# Altium PCB Deneigus.PcbDoc (continued)
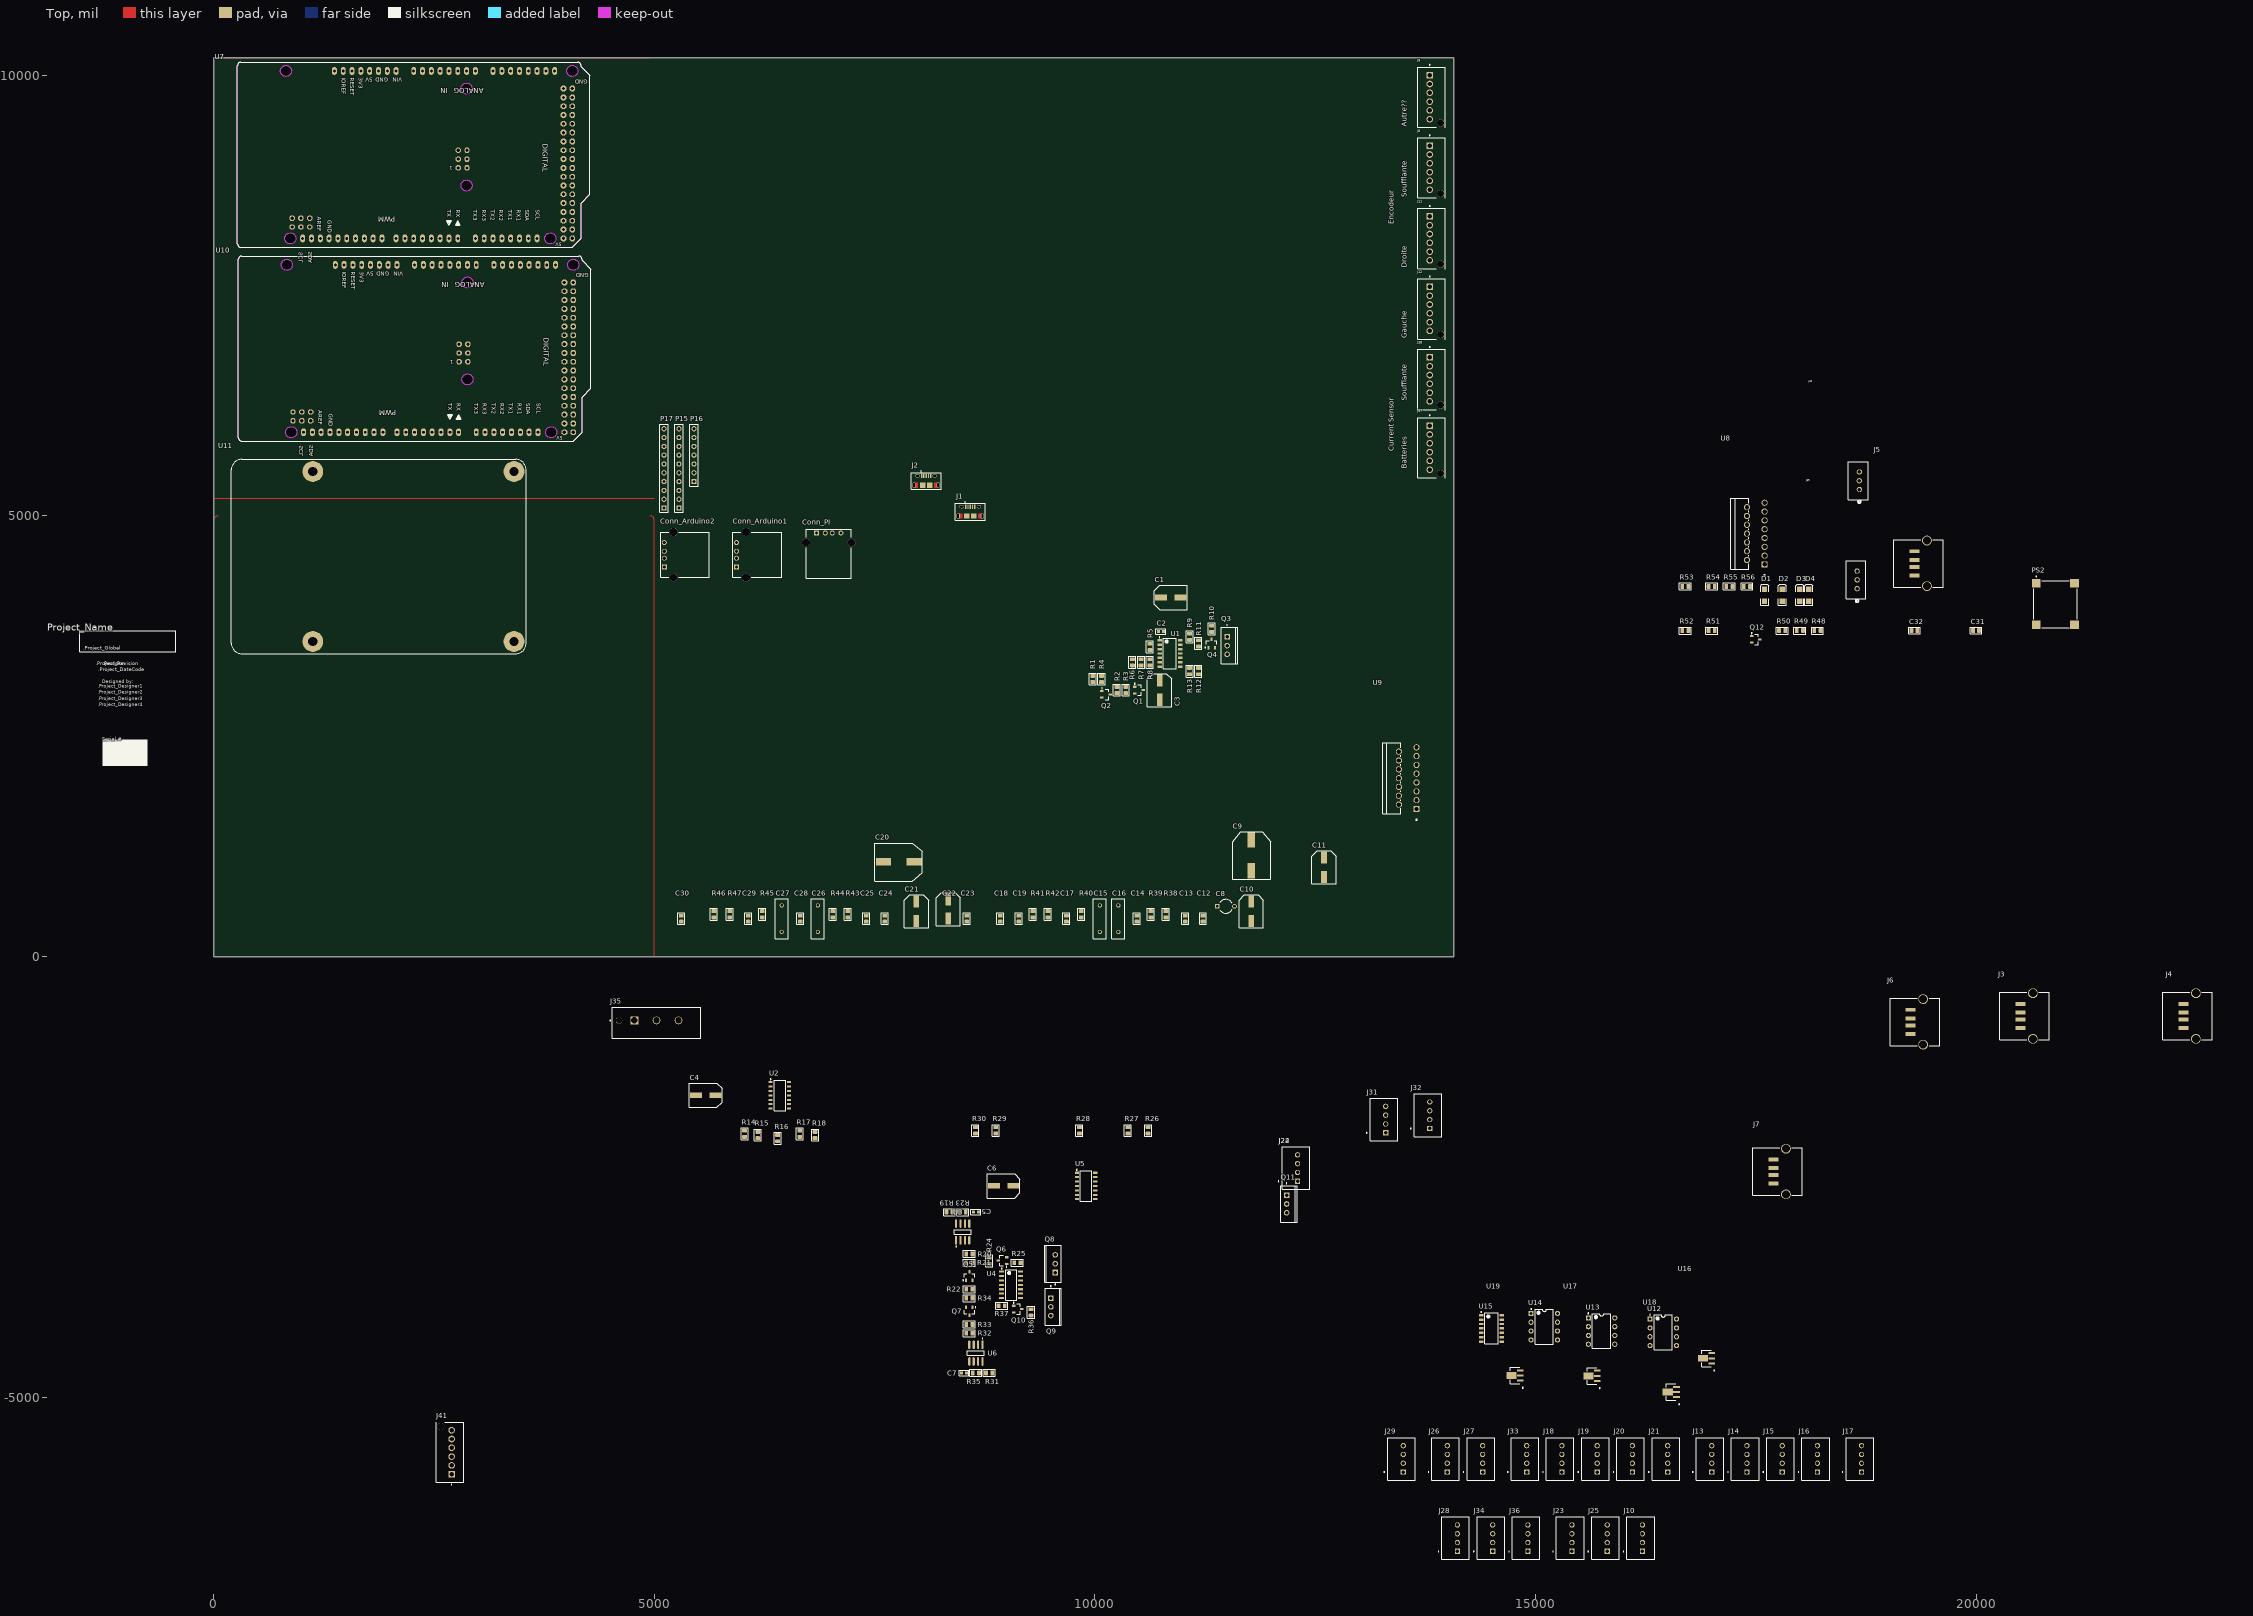
[diagram p0: Top view]
## Part data
C1 C10 C11 C21 C22: library part "47µF SMD", Mfg Part Number=875105344010, Supplier Part Number 1=732-6425-2-ND, HelpURL=https://www.we-online.de/katalog/datasheet/875105344010.pdf, Mfg="Würth Elektronik", Supplier 1=Digikey
C2 C5 C7: Package=0603, Voltage=50V, CreatedBy="Jonathan Bouchard", Precision=10%
C3 C4 C6: library part "47µF SMD", Mfg Part Number=875105344006, Supplier Part Number 1=732-6421-2-ND, HelpURL=https://www.we-online.de/katalog/datasheet/875105344006.pdf, Mfg="Würth Elektronik", Supplier 1=Digikey
C8: "Capacitor", Supplier Part Number 1=338-2545-ND, PackageDescription="Capacitor; 2 Leads", PackageReference=CAPR5-4X5, Published=23-Sep-2002, Publisher="Altium Limited", Supplier 1=digikey
C9 C20: library part "47µF SMD", Mfg Part Number=875105344006, Supplier Part Number 1=399-A768MS337M1VLAS022TR-ND, HelpURL=https://www.we-online.de/katalog/datasheet/875105344006.pdf, Mfg="Würth Elektronik", Supplier 1=Digikey
C12 C23: "Capacitor", Supplier Part Number 1=1276-1123-1-ND, LatestRevisionDate=17-Jul-2002, LatestRevisionNote="Re-released for DXP Platform.", PackageDescription="Radial Cap, Thru-Hole; 2 Leads; 0.3 in Pin Spacing", PackageReference=RAD-0.3, Published=8-Jun-2000, Publisher="Altium Limited", Supplier 1=Digi-Key
C13 C17 C18 C19 C24 C28 C29 C30: "Capacitor", Supplier Part Number 1=445-5968-1-ND, LatestRevisionDate=17-Jul-2002, LatestRevisionNote="Re-released for DXP Platform.", PackageDescription="Radial Cap, Thru-Hole; 2 Leads; 0.3 in Pin Spacing", PackageReference=RAD-0.3, Published=8-Jun-2000, Publisher="Altium Limited", Supplier 1=Digi-Key
C14 C25: "Capacitor", Supplier Part Number 1=1276-1171-1-ND, LatestRevisionDate=17-Jul-2002, LatestRevisionNote="Re-released for DXP Platform.", PackageDescription="Radial Cap, Thru-Hole; 2 Leads; 0.3 in Pin Spacing", PackageReference=0805, Published=8-Jun-2000, Publisher="Altium Limited", Supplier 1=Digi-Key
C15 C16 C26 C27: "Capacitor", Supplier Part Number 1=1276-2488-1-ND, LatestRevisionDate=17-Jul-2002, LatestRevisionNote="Re-released for DXP Platform.", PackageDescription="Radial Cap, Thru-Hole; 2 Leads; 0.3 in Pin Spacing", PackageReference=RAD-0.3, Published=8-Jun-2000, Publisher="Altium Limited", Supplier 1=Digikey
C31 C32: Mfg Part Number=GRM21BR61H106ME43L, Package=0805, Supplier Part Number 1=490-18664-1-ND, Voltage=50V, CreatedBy="Jonathan Bouchard", Mfg="Murata Electronics", Precision=10%, Supplier 1=Digi-Key
Conn_Arduino1 Conn_Arduino2 Conn_PI: "USB-A _USB TYPE-A_  Receptacle Connector 4 Position Through Hole, Right Angle", Package=None, Availability=Unavailable, MF="On Shore", MP=USB-A1HSW6, Price=None, SnapEDA_Link=https://www.snapeda.com/parts/USB-A1HSW6/On%20Shore%20Technology%20Inc./view-part/13110/?ref=snap
D1: "Typical RED, GREEN, YELLOW, AMBER GaAs LED", Color=RED, Supplier Part Number 1=754-2162-1-ND, LatestRevisionDate=17-Jul-2002, LatestRevisionNote="Re-released for DXP Platform.", PackageDescription="SM LED; 2 Flat Leads", PackageReference=3.2X1.6X1.1, PackageVersion=Feb-2002, Published=8-Jun-2000, Publisher="Altium Limited", Supplier 1=Digikey
D2: "Typical RED, GREEN, YELLOW, AMBER GaAs LED", Color=ORANGE, Supplier Part Number 1=754-1797-1-ND, LatestRevisionDate=17-Jul-2002, LatestRevisionNote="Re-released for DXP Platform.", PackageDescription="SM LED; 2 Flat Leads", PackageReference=3.2X1.6X1.1, PackageVersion=Feb-2002, Published=8-Jun-2000, Publisher="Altium Limited", Supplier 1=Digikey
D3: "Typical RED, GREEN, YELLOW, AMBER GaAs LED", Color=GREEN, Supplier Part Number 1=754-1800-1-ND, LatestRevisionDate=17-Jul-2002, LatestRevisionNote="Re-released for DXP Platform.", PackageDescription="SM LED; 2 Flat Leads", PackageReference=3.2X1.6X1.1, PackageVersion=Feb-2002, Published=8-Jun-2000, Publisher="Altium Limited", Supplier 1=Digikey
D4: "Typical RED, GREEN, YELLOW, AMBER GaAs LED", Color=BLUE, Supplier Part Number 1=754-1439-1-ND, LatestRevisionDate=17-Jul-2002, LatestRevisionNote="Re-released for DXP Platform.", PackageDescription="SM LED; 2 Flat Leads", PackageReference=3.2X1.6X1.1, PackageVersion=Feb-2002, Published=8-Jun-2000, Publisher="Altium Limited", Supplier 1=Digikey
J1 J2: library part CON_USB_10118194-0001LF, "CON - USB MICRO B RECPT SMT R/A - 4PIN", Current Rating=1.8A, Manufacturer #1="Amphenol FCI", Package=5-SMD, Supplier Part Number 1=609-4618-1-ND, Temperature="-30°C ~ 80°C", Voltage Rating=100VAC, Assembly Type=SMD, CreatedBy/Date="Arnaud Samson - 09/07/18", Cryo=UNKNOWN, GRAMS Lib Spec=2.8, HelpURL=https://cdn.amphenol-icc.com/media/wysiwyg/files/drawing/10118194.pdf, Magnetic Material=YES, Part Number #1=10118194-0001LF, Polarized=YES, Supplier 1=Digi-Key, VerifiedBy="Jonathan Bouchard 2018-07-12"
J3 J4 J5 J6 J7: "No Description Available", Built_By=EMA_UL_Team, Copyright="Copyright (C) 2018 Accelerated Designs. All rights reserved", Manufacturer_Part_Number=87583-2010BLF, RefDes=RefDes, SourceLibrary=Amphenol_FCI_2017-08-11, Type=DEV, Vendor="Amphenol FCI"
J8 J9 J11 J12 J37 J38 J41: "06P MTA100 SHRDED HDR ASSY SN", Package=None, Supplier Part Number 1=A30896-ND, Digi-Key_Part_Number=A30896-ND, DigiKey-Purchase-URL=https://snapeda.com/shop?store=DigiKey&id=2876038, MF="TE Connectivity", Mouser-Purchase-URL=https://snapeda.com/shop?store=Mouser&id=2876038, MP=2-644486-6, SnapEDA_Link=https://www.snapeda.com/parts/2-644486-6/TE%20Connectivity%20AMP%20Connectors/view-part/2876038/?ref=snap, Supplier 1=Digikey
J10 J13 J14 J15 J16 J17 J18 J19 J20 J21 J22 J23 J24 J25 J26 J27 J28 J29 J31 J32 J33 J34 J36: "Connector Header Through Hole 4 position 0.100 (2.54mm)", Package=None, Availability=Good, Check_prices=https://www.snapeda.com/parts/2-644861-4/TE%20Connectivity%20AMP%20Connectors/view-part/2876279/?ref=eda, MF="TE Connectivity", MP=2-644861-4, Price=None, Purchase-URL=https://pricing.snapeda.com/search/part/2-644861-4/?ref=eda, SnapEDA_Link=https://www.snapeda.com/parts/2-644861-4/TE%20Connectivity%20AMP%20Connectors/view-part/2876279/?ref=snap
J35: "03P UMNL PIN HDR ASSY BLK", Package=None, Centerline_Pitch="6.35 mm[.25 in]", Check_prices=https://www.snapeda.com/parts/1-641966-1/TE%20Connectivity%20AMP%20Connectors/view-part/474367/?ref=eda, Digi-Key_Part_Number=A25285-ND, DigiKey-Purchase-URL=https://snapeda.com/shop?store=DigiKey&id=474367, EU_RoHS_Compliance=Compliant, MF="TE Connectivity", Mouser-Purchase-URL=https://snapeda.com/shop?store=Mouser&id=474367, MP=1-641966-1, Number_of_Positions=3, Product_Type=Header, SnapEDA_Link=https://www.snapeda.com/parts/1-641966-1/TE%20Connectivity%20AMP%20Connectors/view-part/474367/?ref=snap
J39 J40: "No Description Available", Supplier Part Number 1=A32977-ND, Built_By=EMA_UL_Team, Copyright="Copyright (C) 2016 Accelerated Designs. All rights reserved", Manufacturer_Part_Number=5-103414-1, RefDes=RefDes, SourceLibrary=Tyco_2012-1-03, Supplier 1=Digikey, Type=DEV, Vendor="TE Connectivity"
P15: "Header, 10-Pin", Supplier Part Number 1=732-2670-ND, LatestRevisionDate=17-Jul-2002, LatestRevisionNote="Re-released for DXP Platform.", Publisher="Altium Limited", Supplier 1=Digikey
P16: "Header, 7-Pin", Supplier Part Number 1=732-5320-ND, LatestRevisionDate=17-Jul-2002, LatestRevisionNote="Re-released for DXP Platform.", Publisher="Altium Limited", Supplier 1=Digikey
P17: "Header, 10-Pin", Supplier Part Number 1=S7008-ND, LatestRevisionDate=17-Jul-2002, LatestRevisionNote="Re-released for DXP Platform.", Publisher="Altium Limited", Supplier 1=Digikey
PS2: "500 mA Output Current, 4.75~36 Vdc Input, SMT, Non-Isolated, Dc-Dc Converter", Package=SMD-4, Availability=Unavailable, MF="CUI Inc.", MP=VXO7805-500-M, Price=None, SnapEDA_Link=https://www.snapeda.com/parts/VXO7805-500-M/CUI%20Inc./view-part/4703817/?ref=snap
Q1 Q2: library part "PNP 3906 SMD", "Trans GP BJT PNP 40V 0.2A 3-Pin SOT-23 T/R", Case/Package=SOT-23, Collector Base Voltage (VCBO)=40V, Collector Emitter Saturation Voltage=-250mV, Collector-emitter Voltage-Max=400mV, Current Rating=-2A, Emitter Base Voltage (VEBO)=5V, Frequency=250MHz, Manufacturer=MCC, Manufacturer Part Number=MMBT3906-TP, Max Collector Current=200mA, Max Operating Temperature=150°C, Max Power Dissipation=300mW, Min Operating Temperature=-55°C, Package Quantity=1, Supplier Part Number 1=MMBT3906-TPCT-ND, Voltage Rating (DC)=-40V, Category=BJTs, Collector Emitter Breakdown Voltage=40V, Collector Emitter Voltage (VCEO)=40V, ComponentLink1Description=https://datasheet.ciiva.com/6362/mmbt3906sot-23-6362513.pdf?src-supplier=Digi-Key, ComponentLink1URL=https://datasheet.ciiva.com/6362/mmbt3906sot-23-6362513.pdf?src-supplier=Digi-Key, ComponentLink2Description=https://datasheet.ciiva.com/15200/getdatasheetpartid-321202-15200524.pdf?src-supplier=Verical, ComponentLink2URL=https://datasheet.ciiva.com/15200/getdatasheetpartid-321202-15200524.pdf?src-supplier=Verical, Element Configuration=Single, Gain Bandwidth Product=250MHz, Height=1.12mm, hFE Min=60, Lead Free="Lead Free", Length=3.04mm, Max Breakdown Voltage=40V, Max Frequency=250MHz, Mount="Surface Mount", Number of Elements=1, Number of Pins=3, Packaging="Tape and Reel", Polarity=PNP, Power Dissipation=300mW, Pricing 1="1=0.14000, 10=0.09700, 25=0.09320, 100=0.05250, 500=0.04122, 1000=0.02862 (USD)", Radiation Hardening=No, RoHS=Yes, Series=-, Stock 1=96763, Supplier 1=Digi-Key, Transition Frequency=250MHz, Width=1.4mm
Q3: library part CMP-013-00017-4, "HEXFET(R) Power MOSFET, 100 V, 9.7 A, 0.2 Ohm, -55 to 175 degC, 3-Pin FM (TO-220AB), RoHS, Tube", Case/Package=TO-220-3, Continuous Drain Current (ID)=202A, Current Rating=162A, Drain to Source Breakdown Voltage=40V, Drain to Source Resistance=4mR, Gate to Source Voltage (Vgs)=20V, Input Capacitance=330pF, Manufacturer="International Rectifier", Manufacturer Part Number=IRF1404PBF, Max Operating Temperature=175°C, Max Power Dissipation=333W, Min Operating Temperature=-55°C, Nominal Dual Supply Voltage=100V, Package Description="3-Pin Flange Mount, Body 4.445 x 10.415 mm, Pitch 2.54 mm", Package Quantity=50, Package Reference=TO-220AB, Power=48W, Supplier Part Number 1=63J7187, Threshold Voltage=4V, Category=MOSFETs, ComponentLink1Description=https://datasheet.ciiva.com/7935/irf1404-7935436.pdf?src-supplier=Element14, ComponentLink1URL=https://datasheet.ciiva.com/7935/irf1404-7935436.pdf?src-supplier=Element14, ComponentLink2Description=https://datasheet.ciiva.com/19479/1559551-19479743.pdf?src-supplier=Jameco, ComponentLink2URL=https://datasheet.ciiva.com/19479/1559551-19479743.pdf?src-supplier=Jameco, ComponentLink3Description=https://datasheet.ciiva.com/17323/irf1404pbf-17323123.pdf?src-supplier=Avnet+Europe, ComponentLink3URL=https://datasheet.ciiva.com/17323/irf1404pbf-17323123.pdf?src-supplier=Avnet+Europe, ComponentLink4Description=https://datasheet.ciiva.com/939/irf1404pbf-939787.pdf?src-supplier=Digi-Key, ComponentLink4URL=https://datasheet.ciiva.com/939/irf1404pbf-939787.pdf?src-supplier=Digi-Key, ComponentLink5Description=https://datasheet.ciiva.com/16378/irf1404pbf-16378907.pdf?src-supplier=Future+Electronics, ComponentLink5URL=https://datasheet.ciiva.com/16378/irf1404pbf-16378907.pdf?src-supplier=Future+Electronics, Datasheet URL=http://www.infineon.com/dgdl/irf520npbf.pdf?fileId=5546d462533600a4015355e340711985, Datasheet Version=Nov-03, Drain to Source Voltage (Vdss)=40V, Drain-source On Resistance-Max=4mR, Dual Supply Voltage=40V, Element Configuration=Single, Elements=1, Fall Time=33ns, Height=8.77mm, Lead Free="Lead Free", Lead Pitch=2.54mm, Length=10.67mm, Mount="Through Hole", Mounting Technology=TH, Nominal Vgs=4V, Number of Elements=1, Number of Pins=3, On-State Resistance=4mR, Packaging=Rail/Tube, Pins=3, Power Dissipation=333W, Pricing 1="1=1.79000, 10=1.54000, 100=1.26000, 500=1.12000, 1000=0.96000 (USD)", Radiation Hardening=No, Rds On Max=200mohm, REACH SVHC="No SVHC", Recovery Time=117ns, Rise Time=190ns, RoHS=Yes, RoHS Compliant=True, Series=HEXFET®, Stock 1=216, Supplier 1=Digikey, Termination="Through Hole", Turn-Off Delay Time=46ns, Turn-On Delay Time=17ns, Typical Rise Time=23ns, Voltage Rating (DC)=40V, Width=4.83mm
Q4 Q5 Q6 Q7 Q10 Q12: library part "NPN 3904 SMD", "Transistor: 200mA 200mW NPN General-Purpose Amplifier, SOT-23, 7IN. Reel", Case/Package=SOT-23, Collector Base Voltage (VCBO)=60V, Collector Emitter Breakdown Voltage=40V, Collector Emitter Saturation Voltage=300mV, Current Rating=100mA, Emitter Base Voltage (VEBO)=6V, Frequency=300MHz, Manufacturer=MCC, Manufacturer Part Number=MMBT3904-TP, Max Collector Current=200mA, Max Operating Temperature=150°C, Max Power Dissipation=350mW, Min Operating Temperature=-55°C, Package Quantity=1, Category=BJTs, Collector Emitter Voltage (VCEO)=40V, Collector-emitter Voltage-Max=300mV, ComponentLink1Description=https://datasheet.ciiva.com/972/mmbt3904sot-23-972515.pdf?src-supplier=Digi-Key, ComponentLink1URL=https://datasheet.ciiva.com/972/mmbt3904sot-23-972515.pdf?src-supplier=Digi-Key, ComponentLink2Description=https://datasheet.ciiva.com/16291/mmbt3904sot-23-37005-16291911.pdf?src-supplier=Mouser, ComponentLink2URL=https://datasheet.ciiva.com/16291/mmbt3904sot-23-37005-16291911.pdf?src-supplier=Mouser, ComponentLink3Description=https://datasheet.ciiva.com/15139/getdatasheetpartid-251950-15139820.pdf?src-supplier=Verical, ComponentLink3URL=https://datasheet.ciiva.com/15139/getdatasheetpartid-251950-15139820.pdf?src-supplier=Verical, ComponentLink4Description=https://datasheet.ciiva.com/972/mmbt3904sot-23-972516.pdf?src-supplier=Digi-Key, ComponentLink4URL=https://datasheet.ciiva.com/972/mmbt3904sot-23-972516.pdf?src-supplier=Digi-Key, ComponentLink5Description=https://datasheet.ciiva.com/16742/mmbt3904tsot-523-16742101.pdf?src-supplier=Future+Electronics, ComponentLink5URL=https://datasheet.ciiva.com/16742/mmbt3904tsot-523-16742101.pdf?src-supplier=Future+Electronics, ComponentLink6Description=https://datasheet.ciiva.com/14546/70055699-14546053.pdf?src-supplier=Allied+Electronics, ComponentLink6URL=https://datasheet.ciiva.com/14546/70055699-14546053.pdf?src-supplier=Allied+Electronics, Element Configuration=Single, Gain Bandwidth Product=300MHz, Height=1.12mm, hFE Min=40, Lead Free="Lead Free", Length=3.04mm, Max Breakdown Voltage=40V, Max Frequency=300MHz, Mount="Surface Mount", Number of Elements=1, Number of Pins=3, Packaging="Tape and Reel", Polarity=NPN, Power Dissipation=350mW, Pricing 1="1=0.10000, 10=0.08100, 25=0.07680, 100=0.04400, 500=0.02706, 1000=0.01844 (USD)", Radiation Hardening=No, RoHS=Yes, RoHS Compliant=Yes, Series=-, Stock 1=949449, Supplier 1=Digi-Key, Transition Frequency=300MHz, Voltage Rating (DC)=40V, Width=1.4mm
Q8 Q9 Q11: library part CMP-013-00017-4, "HEXFET(R) Power MOSFET, 100 V, 9.7 A, 0.2 Ohm, -55 to 175 degC, 3-Pin FM (TO-220AB), RoHS, Tube", Case/Package=TO-220-3, Input Capacitance=330pF, Manufacturer="International Rectifier", Max Operating Temperature=175°C, Min Operating Temperature=-55°C, Nominal Dual Supply Voltage=100V, Package Description="3-Pin Flange Mount, Body 4.445 x 10.415 mm, Pitch 2.54 mm", Package Quantity=50, Package Reference=TO-220AB, Power=48W, Datasheet URL=http://www.infineon.com/dgdl/irf520npbf.pdf?fileId=5546d462533600a4015355e340711985, Datasheet Version=Nov-03, Elements=1, Mounting Technology=TH, Nominal Vgs=4V, Packaging=Rail/Tube, Pins=3, Rds On Max=200mohm, RoHS Compliant=True, Typical Rise Time=23ns
R1 R2 R3 R4 R5 R6 R7 R8 R9 R10 R11 R12 R13 R14 R15 R16 R17 R18 R19 R20 R21 R22 R23 R25 R26 R27 R28 R29 R30 R31 R32 R33 R34 R35 R36 R37 R48 R49 R50 R51 R52: "Resistor", LatestRevisionDate=17-Jul-2002, LatestRevisionNote="Re-released for DXP Platform.", PackageDescription="Axial Device, Thru-Hole; 2 Leads; 0.3 in Pin Spacing", PackageReference=AXIAL-0.3, Published=8-Jun-2000, Publisher="Altium Limited"
R24: "Resistor", Supplier Part Number 1=RMCF0805FT1K00CT-ND, LatestRevisionDate=17-Jul-2002, LatestRevisionNote="Re-released for DXP Platform.", PackageDescription="Axial Device, Thru-Hole; 2 Leads; 0.3 in Pin Spacing", PackageReference=AXIAL-0.3, Published=8-Jun-2000, Publisher="Altium Limited", Supplier 1=Digi-Key
R38 R43: "Resistor", Supplier Part Number 1=2019-RK73H2ATTD1622FCT-ND, LatestRevisionDate=17-Jul-2002, LatestRevisionNote="Re-released for DXP Platform.", PackageDescription="Axial Device, Thru-Hole; 2 Leads; 0.3 in Pin Spacing", PackageReference=AXIAL-0.3, Published=8-Jun-2000, Publisher="Altium Limited", Supplier 1=digikey
R39: "Resistor", Supplier Part Number 1=RNCP0805FTD4K53CT-ND, LatestRevisionDate=17-Jul-2002, LatestRevisionNote="Re-released for DXP Platform.", PackageDescription="Axial Device, Thru-Hole; 2 Leads; 0.3 in Pin Spacing", PackageReference=AXIAL-0.3, Published=8-Jun-2000, Publisher="Altium Limited", Supplier 1=digikey
R40 R45: "Resistor", Supplier Part Number 1=RMCF0805FT30K1CT-ND, LatestRevisionDate=17-Jul-2002, LatestRevisionNote="Re-released for DXP Platform.", PackageDescription="Axial Device, Thru-Hole; 2 Leads; 0.3 in Pin Spacing", PackageReference=AXIAL-0.3, Published=8-Jun-2000, Publisher="Altium Limited", Supplier 1=digikey
R41 R42 R47: "Resistor", Supplier Part Number 1=RNCP0805FTD10K0CT-ND, LatestRevisionDate=17-Jul-2002, LatestRevisionNote="Re-released for DXP Platform.", PackageDescription="Axial Device, Thru-Hole; 2 Leads; 0.3 in Pin Spacing", PackageReference=AXIAL-0.3, Published=8-Jun-2000, Publisher="Altium Limited", Supplier 1=digikey
R44: "Resistor", Supplier Part Number 1=RMCF0805FT1K69CT-ND, LatestRevisionDate=17-Jul-2002, LatestRevisionNote="Re-released for DXP Platform.", PackageDescription="Axial Device, Thru-Hole; 2 Leads; 0.3 in Pin Spacing", PackageReference=AXIAL-0.3, Published=8-Jun-2000, Publisher="Altium Limited", Supplier 1=digikey
R46: "Resistor", Supplier Part Number 1=A129763CT-ND, LatestRevisionDate=17-Jul-2002, LatestRevisionNote="Re-released for DXP Platform.", PackageDescription="Axial Device, Thru-Hole; 2 Leads; 0.3 in Pin Spacing", PackageReference=AXIAL-0.3, Published=8-Jun-2000, Publisher="Altium Limited", Supplier 1=digikey
R53 R54: "Resistor", Supplier Part Number 1=RNCP0805FTD150RCT-ND, LatestRevisionDate=17-Jul-2002, LatestRevisionNote="Re-released for DXP Platform.", PackageDescription="Axial Device, Thru-Hole; 2 Leads; 0.3 in Pin Spacing", PackageReference=AXIAL-0.3, Published=8-Jun-2000, Publisher="Altium Limited", Supplier 1=digikey
R55 R56: "Resistor", Supplier Part Number 1=2019-RK73H2ATTD84R5FCT-ND, LatestRevisionDate=17-Jul-2002, LatestRevisionNote="Re-released for DXP Platform.", PackageDescription="Axial Device, Thru-Hole; 2 Leads; 0.3 in Pin Spacing", PackageReference=AXIAL-0.3, Published=8-Jun-2000, Publisher="Altium Limited", Supplier 1=digikey
U1 U15: "Comparator Quad ±16V/32V 14-Pin SOP T/R", Manufacturer=Rohm, Manufacturer Part Number=LM339F-E2, Package=BGA-676, Supplier Part Number 1=LM339F-E2TR-ND, Temperature="-40°C ~ 85°C", Voltage="1.14 V ~ 1.26 V", Category=Comparators, CreatedBy="Samuel Mathieu", HelpURL=https://d1d2qsbl8m0m72.cloudfront.net/en/products/databook/datasheet/ic/amp_linear/comparator/lm393f-e.pdf, Mfg="Rohm Semiconductor", Mfg Part Number=LM339F-E2, Pricing 2="1=0.96000, 10=0.84900, 25=0.79720, 100=0.65060, 250=0.60432, 500=0.51432, 1000=0.41145 (USD)", RoHS=Yes, RoHS Compliant=Yes, Stock 2=2211, Supplier 1=Digikey, Supplier 2=Digi-Key, Supplier Part Number 2=LM339F-E2CT-ND
U2 U5: library part CMP-1310-00171-1, "Single Supply Quad Operational Amplifier, 3 to 32 V, 0 to 70 degC, 14-Pin SOIC, Pb-Free, Tape and Reel", Manufacturer="On Semiconductor", ComponentLink1Description="Manufacturer URL", ComponentLink1URL=http://www.onsemi.com/, ComponentLink2Description=Datasheet, ComponentLink2URL=http://www.onsemi.cn/pub_link/Collateral/LM324-D.PDF, ComponentLink3Description="Package Specification", ComponentLink3URL=http://www.onsemi.com/pub_link/Collateral/751A-03.PDF, DatasheetVersion="Rev. 25", Mounting Technology="Surface Mount", PackageDescription="14-Pin Small Outline Integrated Circuit, Body 8.65 x 3.9 mm, Pitch 1.27 mm", PackageReference=SOIC-14-751A-03, PackageVersion="Rev. K, 05/2011", Packing="Tape and Reel", PartNumber=LM324DR2G, RoHS=TRUE, VCC Max (V)=32, VCC Min (V)=3
U3 U6: library part CMP-1685-00007-2, "IC OSC SGL TIMER 100KHZ 8-SOIC", Case/Package=SOIC, Frequency=100kHz, High Level Output Current=-200mA, Low Level Output Current=200mA, Max Operating Temperature=70°C, Max Supply Voltage=16V, Min Operating Temperature=0°C, Min Supply Voltage=4.5V, Operating Supply Current=10mA, Package Quantity=2500, Quiescent Current=15mA, Contact Plating=Gold, Height=1.58mm, Lead Free="Lead Free", Length=4.9mm, Mount="Surface Mount", Number of Pins=8, Number of Timers/Counters=1, Packaging="Tape and Reel", Radiation Hardening=No, REACH SVHC="No SVHC", Weight=0.002561oz, Width=3.91mm
U4: library part "Dual JK flip-flop", "Flip Flop Element JK Type Bit Negative Edge 14-SOIC (0.154\", 3.90mm Width)"
U8 U9: "No Description Available", Supplier Part Number 1=497-1410-5-ND, Built_By=EMA_UL_Team, Copyright="Copyright (C) 2018 Accelerated Designs. All rights reserved", Manufacturer_Part_Number=L4970A, RefDes=RefDes, SourceLibrary=Updates_to_database_2020-11-02, Supplier 1=Digikey, Type=DEV, Vendor=STMicroelectronics
U12 U13 U14: library part CMP-00026-00000-2, "Optocoupler, Phototransistor Output, Dual Channel, 1.3 V, -55 to 100 degC, 8-Pin DIP, RoHS, Tube", Case/Package=PDIP, Forward Current=60mA, Forward Voltage=1.5V, Manufacturer=Vishay, Max Operating Temperature=100°C, Min Operating Temperature=-55°C, Output Voltage=70V, Package Description="8-Pin Double In-line Package, Body 9.77 x 6.645 mm, Pitch 2.54 mm", Package Quantity=2000, Package Reference=DIP8, Package Version="Rev. 1.1, 12/2003", Power=400mW, Channels=2, Datasheet URL=http://www.vishay.com/docs/83640/ild74.pdf, Datasheet Version="Rev. 1.7, 05/2011", Manufacturer URL=http://www.vishay.com/, Mounting Technology=TH, Nominal Vf=1.3V, Package URL=http://www.vishay.com/docs/83241/83241.pdf, Packaging=Rail/Tube, Pins=16, RoHS Compliant=True, Vce Max=500mV
U16 U17 U18 U19: "No Description Available", Supplier Part Number 1=ZXMN6A07ZCT-ND, Built_By=EMA_Justin, Copyright="Copyright (C) 2016 Accelerated Designs. All rights reserved", Manufacturer_Part_Number=ZXMN6A07ZTA, RefDes=RefDes, SourceLibrary=Diodes_Inc_2018-12-15, Supplier 1=Digikey, Type=DEV, Vendor="Diodes Inc"

## Nets (pads, with @x,y where several pads share a name; then routed paths per layer and width w, separated by ;. In a path a pad name is that pad's centre, name@x,y a point inside that pad or via, vN(x,y) a via of type N, cw(c..) or ccw(c..) an arc to the next point about the centre after c; other vN are vias at no path point)
5V: J8.1 J9.1 J10.1 J11.1 J12.1 J13.1 J14.1 J15.1 J16.1 J17.1 J18.1 J19.1 J20.1 J21.1 J22.1 J23.1 J24.1 J25.1 J26.1 J27.1 J28.1 J33.1 J34.1 J36.1 J41.1 P16.2 P17.1 U7.5 U7.25 U7.26 U10.5 U10.25 U10.26
5V_SOUFFLANTE: C1.1 C32.2 PS2.3 Q1.2 Q2.2 R2.1 R5.2 R7.1 R9.2 R12.2
6V: C21.1 C22.1 C23.2 J40.2 R44.1 U9.7
7V4: C10.1 C11.1 C12.2 J39.2 R39.1 U8.7
24V: C8.1 C9.1 C20.1 J35.1 U2.4 U8.9 U9.9 U16.2 U17.2 U18.2 U19.2
24V_SOUFFLANTE: C31.2 J29.1 PS2.1
+5: J1.1 J37.1 J38.1 R17.2 R19.2 R20.2 R24.2 R29.2 R31.2 R32.2 R36.2 R49.1 R51.2 U3.4 U3.8 U4.2 U4.4 U4.6 U6.4 U6.8 U15.3
ANTENNA_RX: J10.2 P16.6
ANTENNA_TX: J10.3 P16.5
ARD1_A0: J23.2 U7.9
ARD1_A1: J23.3 U7.10
ARD1_A2: J28.2 U7.11
ARD1_A3: J28.3 U7.12
ARD1_A4: J25.2 U7.13
ARD1_A5: J25.3 U7.14
ARD1_A6: J34.2 U7.15
ARD1_A7: J34.3 U7.16
ARD1_A8: U7.17 U16.1
ARD1_A9: U7.18 U18.1
ARD1_A10: U7.19 U17.1
ARD1_A11: U7.20 U19.1
ARD1_CS: J8.2 J9.2 J11.2 J12.2 J41.2 U7.58
ARD1_D22: J13.2 U7.27
ARD1_D23: J13.3 U7.28
ARD1_D24: J18.2 U7.29
ARD1_D25: J18.3 U7.30
ARD1_D26: J24.2 U7.31
ARD1_D27: J24.3 U7.32
ARD1_D28: J14.2 U7.33
ARD1_D29: J14.3 U7.34
ARD1_D30: J19.2 U7.35
ARD1_D31: J19.3 U7.36
ARD1_D32: J26.2 U7.37
ARD1_D33: J26.3 U7.38
ARD1_D34: J15.2 U7.39
ARD1_D35: J15.3 U7.40
ARD1_D36: J20.2 U7.41
ARD1_D37: J20.3 U7.42
ARD1_D38: J27.2 U7.43
ARD1_D39: J27.3 U7.44
ARD1_D40: J16.2 U7.45
ARD1_D41: J16.3 U7.46
ARD1_D42: J21.2 U7.47
ARD1_D43: J21.3 U7.48
ARD1_D44: J33.2 U7.49
ARD1_D45: J33.3 U7.50
ARD1_D46: J17.2 U7.51
ARD1_D47: J17.3 U7.52
ARD1_D48: J22.2 U7.53
ARD1_D49: J22.3 U7.54
ARD1_MISO: J8.4 J9.4 J11.4 J12.4 J41.4 U7.56
ARD1_MOSI: J8.5 J9.5 J11.5 J12.5 J41.5 U7.55
ARD1_SCK: J8.3 J9.3 J11.3 J12.3 J41.3 U7.57
ARD1_SCL: J36.2 P15.10 P17.3 U7.86
ARD1_SDA: J36.3 P15.9 P17.4 U7.85
ARD1_SERVO20: J40.1 U7.72
ARD1_SERVO60: J39.1 U7.71
ARD2_BMSDI: U10.63
ARD2_BMSEN: U10.76
ARD2_BMSRO: U10.64
ARD2_RELAY1: U10.71
ARD2_RELAY2: U10.72
ARD2_RELAY3: U10.73
ARD2_RELAY4: U10.74
BUZZER: U19.3
Coil_EV200(Sécurité): J35.2 Q11.2
Contrôle_EV200: Q11.1 U10.28
CURRENT_SENSOR_MOTOR_OCD: J38.4 U10.14
CURRENT_SENSOR_MOTOR_VOUT: J38.3 U10.13
CURRENT_SENSOR_MOTOR_VREF: J38.2 U10.12
CURRENT_SENSOR_TOTAL_OCD: J37.4 U10.11
CURRENT_SENSOR_TOTAL_VOUT: J37.3 U10.10
CURRENT_SENSOR_TOTAL_VREF: J37.2 U10.9
Enable_Switching_1: Q5.3 R21.2 U4.1
Enable_Switching_2: Q7.3 R33.2 U4.5
GND: C4.2 C5.1 C6.2 C7.1 C8.2 C9.2 C10.2 C11.2 C13.1 C14.1 C15.1 C17.1 C18.1 C19.1 C20.2 C21.2 C22.2 C24.1 C25.1 C26.1 C28.1 C29.1 C30.1 J1.5 J8.6 J9.6 J10.4 J11.6 J12.6 J13.4 J14.4 J15.4 J16.4 J17.4 J18.4 J19.4 J20.4 J21.4 J22.4 J23.4 J24.4 J25.4 J26.4 J27.4 J28.4 J31.4 J32.4 J33.4 J34.4 J35.3 J36.4 J37.5 J38.5 J39.3 J40.3 J41.6 P15.7 P16.1 P17.2 Q5.2 Q6.2 Q7.2 Q8.3 Q9.3 Q10.2 Q11.3 Q12.2 R15.1 R18.1 R26.1 R30.1 R38.2 R41.2 R42.2 R43.2 R46.2 R47.2 R52.1 R53.2 R54.2 R55.2 R56.2 U2.11 U3.1 U4.11 U5.4 U5.11 U6.1 U7.6 U7.7 U7.59 U7.60 U7.83 U8.8 U9.8 U10.6 U10.7 U10.59 U10.60 U10.83 U11.0 U12.2 U13.2 U14.2 U15.12
GND_SOUFFLANTE: C1.2 C2.1 C3.2 C31.1 C32.1 J29.4 PS2.2 Q3.3 Q4.2 R13.1 U1.5 U12.8 U13.8 U14.8
LED_BLUE: D4.1 U7.24
LED_GREEN: D3.1 U7.23
LED_ORANGE: D2.1 U7.22
LED_RED: D1.1 U7.21
LIGHT1: U16.3
LIGHT2: U18.3
LIGHT3: U17.3
NetC3_1: C3.1 Q1.3 R6.2 U1.9
NetC4_1: C4.1 R16.2 U2.3 U2.5
NetC5_2: C5.2 R23.1 U3.2 U3.6
NetC6_1: C6.1 R28.2 U5.3 U5.5
NetC7_2: C7.2 R35.1 U6.2 U6.6
NetC12_1: C12.1 U8.6
NetC13_2: C13.2 U8.15
NetC14_2: C14.2 U8.2
NetC15_2: C15.2 C16.2 U8.10
NetC16_1: C16.1 R41.1
NetC17_2: C17.2 R40.1 U8.14
NetC18_2: C18.2 U8.5
NetC19_2: C19.2 U8.12
NetC23_1: C23.1 U9.6
NetC24_2: C24.2 U9.15
NetC25_2: C25.2 U9.2
NetC26_2: C26.2 C27.2 U9.10
NetC27_1: C27.1 R46.1
NetC28_2: C28.2 R45.1 U9.14
NetC29_2: C29.2 U9.5
NetC30_2: C30.2 U9.12
NetD1_2: D1.2 R53.1
NetD2_2: D2.2 R54.1
NetD3_2: D3.2 R55.1
NetD4_2: D4.2 R56.1
NetLabel1: U8.4
NetLabel2: U9.4
NetQ1_1: Q1.1 R3.2
NetQ2_1: Q2.1 R48.2
NetQ2_3: Q2.3 R10.2
NetQ3_1: Q3.1 Q4.3 R10.1
NetQ4_1: Q4.1 R11.2
NetQ5_1: Q5.1 R22.2
NetQ6_1: Q6.1 R25.2
NetQ6_3: Q6.3 R24.1 U4.3
NetQ7_1: Q7.1 R34.2
NetQ8_1: Q8.1 U4.12
NetQ9_1: Q9.1 U4.9
NetQ10_1: Q10.1 R37.2
NetQ10_3: Q10.3 R36.1 U4.10
NetQ12_1: Q12.1 R50.2
NetR1_2: R1.2 U12.1
NetR2_2: R2.2 R3.1 U12.7
NetR4_2: R4.2 U13.1
NetR5_1: R5.1 R6.1 U13.7
NetR7_2: R7.2 R48.1 U14.7
NetR8_2: R8.2 U14.1
NetR9_1: R9.1 R11.1 U1.14
NetR12_1: R12.1 R13.2 U1.8
NetR14_1: R14.1 R15.2 U2.2
NetR17_1: R17.1 R18.2 U2.6
NetR19_1: R19.1 R23.2 U3.7
NetR20_1: R20.1 R21.1 U3.3
NetR26_2: R26.2 R27.1 U5.2
NetR29_1: R29.1 R30.2 U5.6
NetR31_1: R31.1 R35.2 U6.7
NetR32_1: R32.1 R33.1 U6.3
NetR38_1: R38.1 U8.1
NetR39_2: R39.2 R42.1 U8.11
NetR40_2: R40.2 U8.3
NetR43_1: R43.1 U9.1
NetR44_2: R44.2 R47.1 U9.11
NetR45_2: R45.2 U9.3
NetR49_2: R49.2 R50.1
NetR51_1: R51.1 R52.2 U15.5
PWM_Déplacement1: R16.1 U7.74
PWM_Déplacement2: R28.1 U7.75
PWM_Soufflante: R4.1 U7.81
R1_R2: J31.3 Q8.2
R3_R4: J32.3 Q9.2
Sens_Rotation1: R25.1 U4.14 U7.78
Sens_Rotation2: R37.1 U4.7 U7.79
SIGNAL_CONTACTEUR: J29.3 Q3.2
SIGNAL_DRIVE: C2.2 J29.2 U1.2 U1.4
Signal_Drive_1: J31.2 R14.2 U2.1
Signal_Drive_2: J32.2 R27.2 U5.1
Soufflante_MAXSPEED: R8.1 U7.82
Soufflante_OFF: U7.80
Switching_1_Ok: R22.1 U2.7
Switching_2_Ok: R34.1 U5.7
pads on no net: Conn_Arduino1. Conn_Arduino1.1 Conn_Arduino1.2 Conn_Arduino1.3 Conn_Arduino1.4 Conn_Arduino2. Conn_Arduino2.1 Conn_Arduino2.2 Conn_Arduino2.3 Conn_Arduino2.4 Conn_PI. Conn_PI.1 Conn_PI.2 Conn_PI.3 Conn_PI.4 J1.2 J1.3 J1.4 J1.6 J1.7 J1.8 J1.9 J1.10 J1.11 J2.1 J2.2 J2.3 J2.4 J2.5 J2.6 J2.7 J2.8 J2.9 J2.10 J2.11 J3.1 J3.2 J3.3 J3.4 J3.6 J3.7 J4.1 J4.2 J4.3 J4.4 J4.6 J4.7 J5.1 J5.2 J5.3 J5.4 J5.6 J5.7 J6.1 J6.2 J6.3 J6.4 J6.6 J6.7 J7.1 J7.2 J7.3 J7.4 J7.6 J7.7 J8. J9. J11. J12. J31.1 J32.1 J35. J37. J37.6 J38. J38.6 J41. P15.1 P15.2 P15.3 P15.4 P15.5 P15.6 P15.8 P16.3 P16.4 P16.7 P17.5 P17.6 P17.7 P17.8 P17.9 P17.10 PS2.4 Q12.3 R1.1 U1.1 U1.3 U1.6 U1.7 U1.10 U1.11 U1.12 U1.13 U2.8 U2.9 U2.10 U2.12 U2.13 U2.14 U3.5 U4.8 U4.13 U5.8 U5.9 U5.10 U5.12 U5.13 U5.14 U6.5 U7.1 U7.2 U7.3 U7.4 U7.8 U7.61 U7.62 U7.63 U7.64 U7.65 U7.66 U7.67 U7.68 U7.69 U7.70 U7.73 U7.76 U7.77 U7.84 U7.87 U7.88 U7.89 U7.90 U7.91 U7.92 U7.93 U7.94 U7.95 U7.96 U7.97 U7.98 U7.MH1 U7.MH2 U7.MH3 U7.MH4 U7.MH5 U7.MH6 U8.13 U9.13 U10.1 U10.2 U10.3 U10.4 U10.8 U10.15 U10.16 U10.17 U10.18 U10.19 U10.20 U10.21 U10.22 U10.23 U10.24 U10.27 U10.29 U10.30 U10.31 U10.32 U10.33 U10.34 U10.35 U10.36 U10.37 U10.38 U10.39 U10.40 U10.41 U10.42 U10.43 U10.44 U10.45 U10.46 U10.47 U10.48 U10.49 U10.50 U10.51 U10.52 U10.53 U10.54 U10.55 U10.56 U10.57 U10.58 U10.61 U10.62 U10.65 U10.66 U10.67 U10.68 U10.69 U10.70 U10.75 U10.77 U10.78 U10.79 U10.80 U10.81 U10.82 U10.84 U10.85 U10.86 U10.87 U10.88 U10.89 U10.90 U10.91 U10.92 U10.93 U10.94 U10.95 U10.96 U10.97 U10.98 U10.MH1 U10.MH2 U10.MH3 U10.MH4 U10.MH5 U10.MH6 U12.3 U12.4 U12.5 U12.6 U13.3 U13.4 U13.5 U13.6 U14.3 U14.4 U14.5 U14.6 U15.1 U15.2 U15.4 U15.6 U15.7 U15.8 U15.9 U15.10 U15.11 U15.13 U15.14 U16.4 U17.4 U18.4 U19.4
copper on no net: | length 19957.1
  Top w5: 0,0 0,4950 cw(c50,4950) 50,5000 ; 0,5200 5000,5200 ; 50,10200 4950,10200 ; 4950,5000 cw(c4950,4950) 5000,4950 5000,0

## Polygon pours and split planes (outlines as drawn)
no net on Ground Plane (split plane): 14054.9,10179.9 14054.9,9600 14054.9,20.1 20.1,20.1 20.1,10179.9
no net on Power Plane (split plane): 14054.9,10179.9 14054.9,9600 14054.9,20.1 20.1,20.1 20.1,10179.9

## Silkscreen, mask and mechanical layers (free items; w line width, h text height)
Top Overlay:
  rectangle: -1261.38,2160.75 -752.79,2464.02
  lines w5: -1520,3460 -1520,3700 -430,3700 -430,3460 -1520,3460
  text "Autre??" at 13540,9419.54 h60 r90
  text "Soufflante" at 13540,8619.54 h60 r90
  text "Encodeur" at 13390,8312.16 h60 r90
  text "Droite" at 13540,7817.37 h60 r90
  text "Gauche" at 13540,7017.37 h60 r90
  text "Soufflante" at 13540,6310 h60 r90
  text "Current Sensor" at 13390,5735 h60 r90
  text "Batteries" at 13540,5535 h60 r90
  text ".Project_Name" at -1928.77,3700 h78.74
  text ".Project_Global" at -1478.77,3480 h39.37
  text ".Project_Revision" at -1340,3306.31 h40
  text "Revision" at -1243.7,3306.31 h40
  text ".Project_DateCode" at -1310,3240 h40
  text "Designed by:" at -1266,3100 h36
  text ".Project_Designer1" at -1313.15,3050.76 h36
  text ".Project_Designer2" at -1313.15,2980.51 h36
  text ".Project_Designer3" at -1313.15,2910.25 h36
  text ".Project_Designer4" at -1313.15,2840 h36
  text "Serial #" at -1264.6,2447.17 h39.37

## Text inside footprints (layer, text, board x,y; h text height)
J1: Top Assembly "Board Edge" at 8471.46,4905.51 h23.62
J2: Top Assembly "Board Edge" at 7971.46,5255.51 h23.62
J3: Route Tool Path "Default Padstyle: RX44p09Y113p39D0T" at 21225.09,-1112.18 h50 r90; Route Tool Path "1st Mounting Padstyle: EX111Y111D91P" at 21325.09,-1124.68 h50 r90; Route Tool Path "Alt 1 Padstyle: OX60Y90D30P" at 21725.09,-1012.18 h50 r90; Route Tool Path "Alt 2 Padstyle: OX90Y60D30P" at 21825.09,-1012.18 h50 r90; Route Tool Path "0.079in/2mm" at 21020.09,-664.69 h25 r90; Route Tool Path "0.517in/13.14mm" at 21120.09,-768.43 h25 r90; Route Tool Path "0.529in/13.44mm" at 20053.91,-768.43 h25 r90; Route Tool Path "0.37in/9.4mm" at 20471.45,-1409.25 h25 r90; Route Tool Path "-0.228in/-5.791mm" at 20172.41,-290.12 h25 r90
J4: Route Tool Path "Default Padstyle: RX44p09Y113p39D0T" at 23075.09,-1112.18 h50 r90; Route Tool Path "1st Mounting Padstyle: EX111Y111D91P" at 23175.09,-1124.68 h50 r90; Route Tool Path "Alt 1 Padstyle: OX60Y90D30P" at 23575.09,-1012.18 h50 r90; Route Tool Path "Alt 2 Padstyle: OX90Y60D30P" at 23675.09,-1012.18 h50 r90; Route Tool Path "0.079in/2mm" at 22870.09,-664.69 h25 r90; Route Tool Path "0.517in/13.14mm" at 22970.09,-768.43 h25 r90; Route Tool Path "0.529in/13.44mm" at 21903.91,-768.43 h25 r90; Route Tool Path "0.37in/9.4mm" at 22321.45,-1409.25 h25 r90; Route Tool Path "-0.228in/-5.791mm" at 22022.41,-290.12 h25 r90
J5: Route Tool Path "-0.228in/-5.791mm" at 18970.5,4846.77 h25 r90; Route Tool Path "0.37in/9.4mm" at 19269.54,3727.64 h25 r90; Route Tool Path "0.529in/13.44mm" at 18852,4368.45 h25 r90; Route Tool Path "0.517in/13.14mm" at 19918.18,4368.45 h25 r90; Route Tool Path "0.079in/2mm" at 19818.18,4472.19 h25 r90; Route Tool Path "Alt 2 Padstyle: OX90Y60D30P" at 20623.18,4124.7 h50 r90; Route Tool Path "Alt 1 Padstyle: OX60Y90D30P" at 20523.18,4124.7 h50 r90; Route Tool Path "1st Mounting Padstyle: EX111Y111D91P" at 20123.18,4012.2 h50 r90; Route Tool Path "Default Padstyle: RX44p09Y113p39D0T" at 20023.18,4024.7 h50 r90
J6: Route Tool Path "Default Padstyle: RX44p09Y113p39D0T" at 19981.1,-1178.84 h50 r90; Route Tool Path "1st Mounting Padstyle: EX111Y111D91P" at 20081.1,-1191.34 h50 r90; Route Tool Path "Alt 1 Padstyle: OX60Y90D30P" at 20481.1,-1078.84 h50 r90; Route Tool Path "Alt 2 Padstyle: OX90Y60D30P" at 20581.1,-1078.84 h50 r90; Route Tool Path "0.079in/2mm" at 19776.1,-731.35 h25 r90; Route Tool Path "0.517in/13.14mm" at 19876.1,-835.09 h25 r90; Route Tool Path "0.529in/13.44mm" at 18809.92,-835.09 h25 r90; Route Tool Path "0.37in/9.4mm" at 19227.46,-1475.91 h25 r90; Route Tool Path "-0.228in/-5.791mm" at 18928.42,-356.77 h25 r90
J7: Route Tool Path "Default Padstyle: RX44p09Y113p39D0T" at 18423.18,-2876.87 h50 r90; Route Tool Path "1st Mounting Padstyle: EX111Y111D91P" at 18523.18,-2889.37 h50 r90; Route Tool Path "Alt 1 Padstyle: OX60Y90D30P" at 18923.18,-2776.87 h50 r90; Route Tool Path "Alt 2 Padstyle: OX90Y60D30P" at 19023.18,-2776.87 h50 r90; Route Tool Path "0.079in/2mm" at 18218.18,-2429.38 h25 r90; Route Tool Path "0.517in/13.14mm" at 18318.18,-2533.12 h25 r90; Route Tool Path "0.529in/13.44mm" at 17252,-2533.12 h25 r90; Route Tool Path "0.37in/9.4mm" at 17669.54,-3173.94 h25 r90; Route Tool Path "-0.228in/-5.791mm" at 17370.5,-2054.8 h25 r90
J39: Route Tool Path "0.214in/5.436mm" at 18649.5,3547.5 h25 r90; Route Tool Path "0.12in/3.048mm" at 18602.5,3510 h25 r90; Route Tool Path "0.1in/2.54mm" at 18662.5,4605 h25 r90; Route Tool Path "0.42in/10.668mm" at 18100,4181.25 h25 r90; Route Tool Path "0.1in/2.54mm" at 18425,4150 h25 r90; Route Tool Path "Alt Padstyle 2: OX90Y60D30P" at 19429,3937.5 h50 r90; Route Tool Path "Alt Padstyle 1: OX60Y90D30P" at 19354,3937.5 h50 r90; Route Tool Path "Right Mtg Padstyle: EX60Y60D30P" at 19279,3887.5 h50 r90; Route Tool Path "Left Mtg Padstyle: EX60Y60D30P" at 19204,3900 h50 r90; Route Tool Path "3rd Mtg Padstyle: EX70Y70D70P" at 19129,3912.5 h50 r90; Route Tool Path "2nd Mtg Padstyle: EX70Y70D70P" at 19054,3912.5 h50 r90; Route Tool Path "1st Mtg Padstyle: RX80Y80D50P" at 18979,3912.5 h50 r90; Route Tool Path "Default Padstyle: OX60Y60D40P" at 18904,3912.5 h50 r90
J40: Route Tool Path "0.214in/5.436mm" at 18675,4672.5 h25 r90; Route Tool Path "0.12in/3.048mm" at 18628,4635 h25 r90; Route Tool Path "0.1in/2.54mm" at 18688,5730 h25 r90; Route Tool Path "0.42in/10.668mm" at 18125.5,5306.25 h25 r90; Route Tool Path "0.1in/2.54mm" at 18450.5,5275 h25 r90; Route Tool Path "Alt Padstyle 2: OX90Y60D30P" at 19454.5,5062.5 h50 r90; Route Tool Path "Alt Padstyle 1: OX60Y90D30P" at 19379.5,5062.5 h50 r90; Route Tool Path "Right Mtg Padstyle: EX60Y60D30P" at 19304.5,5012.5 h50 r90; Route Tool Path "Left Mtg Padstyle: EX60Y60D30P" at 19229.5,5025 h50 r90; Route Tool Path "3rd Mtg Padstyle: EX70Y70D70P" at 19154.5,5037.5 h50 r90; Route Tool Path "2nd Mtg Padstyle: EX70Y70D70P" at 19079.5,5037.5 h50 r90; Route Tool Path "1st Mtg Padstyle: RX80Y80D50P" at 19004.5,5037.5 h50 r90; Route Tool Path "Default Padstyle: OX60Y60D40P" at 18929.5,5037.5 h50 r90
U7: Top Overlay "TX" at 2651.89,8476.77 h47.6 r270; Top Overlay "TX2" at 3144.02,8476.77 h47.6 r270; Top Overlay "RX2" at 3242.44,8476.77 h47.6 r270; Top Overlay "TX1" at 3340.87,8476.77 h47.6 r270; Top Overlay "RX1" at 3439.29,8476.77 h47.6 r270; Top Overlay "SDA" at 3537.72,8476.77 h47.6 r270; Top Overlay "RX3" at 3045.59,8476.77 h47.6 r270; Top Overlay "TX3" at 2947.17,8476.77 h47.6 r270; Top Overlay "DIGITAL" at 3734.57,9224.8 h56.1 r270; Top Overlay "GND" at 4246.38,9953.15 h47.6 r180; Top Overlay "ANALOG   IN" at 3065.28,9854.72 h56.1 r180; Top Overlay "1" at 2710.94,8968.9 h42.5 r180; Top Overlay "PWM" at 2061.34,8398.03 h56.1 r180; Top Overlay "RX" at 2750.32,8476.77 h47.6 r270; Top Overlay "SCL" at 1008.83,7995.52 h47.6 r90; Top Overlay "AREF" at 1175.51,8398.03 h47.6 r270; Top Overlay "GND" at 1293.62,8358.66 h47.6 r270; Top Overlay "SDA" at 1118.83,8000.52 h47.6 r90; Top Overlay "SCL" at 3655.83,8476.77 h47.6 r270; Top Overlay "5V" at 3951.1,8102.76 h37.4 r180; Top Overlay "5V" at 1805.43,9972.83 h47.6 r180; Top Overlay "VIN" at 2140.08,9972.83 h47.6 r180; Top Overlay "GND" at 1982.6,9972.83 h47.6 r180; Top Overlay "IOREF" at 1451.1,9972.83 h47.6 r270; Top Overlay "3V3" at 1647.95,9972.83 h47.6 r270; Top Overlay "RESET" at 1549.53,9972.83 h47.6 r270; Bottom Assembly (Mech20) "ON" at 3135,8660 h42.5 r180; Bottom Assembly (Mech20) "RX" at 1445,8825 h42.5 r180; Bottom Assembly (Mech20) "TX" at 1445,8735 h42.5 r180; Bottom Assembly (Mech20) "L" at 1465,8520 h42.5 r180; Bottom Assembly (Mech20) "PC2" at 1215,9805 h42.5 r180; Bottom Assembly (Mech20) "PC1" at 940,9810 h42.5 r180; Bottom Assembly (Mech20) "PC1" at 940,9810 h42.5 r180; Bottom Assembly (Mech20) "PC2" at 1215,9805 h42.5 r180; Bottom Assembly (Mech20) "L" at 1465,8520 h42.5 r180; Bottom Assembly (Mech20) "TX" at 1445,8735 h42.5 r180; Bottom Assembly (Mech20) "RX" at 1445,8825 h42.5 r180; Bottom Assembly (Mech20) "ON" at 3135,8660 h42.5 r180; Route Tool Path "52" at 3820,9775 h47.6 r180; Route Tool Path "50" at 3820,9675 h47.6 r180; Route Tool Path "48" at 3820,9575 h47.6 r180; Route Tool Path "46" at 3820,9475 h47.6 r180; Route Tool Path "34" at 3820,8875 h47.6 r180; Route Tool Path "36" at 3820,8975 h47.6 r180; Route Tool Path "30" at 3820,8675 h47.6 r180; Route Tool Path "32" at 3820,8775 h47.6 r180; Route Tool Path "38" at 3820,9075 h47.6 r180; Route Tool Path "40" at 3820,9175 h47.6 r180; Route Tool Path "44" at 3820,9375 h47.6 r180; Route Tool Path "42" at 3820,9275 h47.6 r180; Route Tool Path "37" at 4145,8975 h47.6 r180; Route Tool Path "35" at 4145,8875 h47.6 r180; Route Tool Path "33" at 4145,8775 h47.6 r180; Route Tool Path "31" at 4145,8675 h47.6 r180; Route Tool Path "51" at 4145,9675 h47.6 r180; Route Tool Path "53" at 4145,9775 h47.6 r180; Route Tool Path "45" at 4145,9375 h47.6 r180; Route Tool Path "49" at 4145,9575 h47.6 r180; Route Tool Path "43" at 4145,9275 h47.6 r180; Route Tool Path "39" at 4145,9075 h47.6 r180; Route Tool Path "41" at 4145,9175 h47.6 r180; Route Tool Path "47" at 4145,9475 h47.6 r180; Route Tool Path "7" at 2095,8275 h47.6 r90; Route Tool Path "6" at 2195,8275 h47.6 r90; Route Tool Path "5" at 2295,8275 h47.6 r90; Route Tool Path "3" at 2495,8275 h47.6 r90; Route Tool Path "0" at 2795,8275 h47.6 r90; Route Tool Path "1" at 2695,8275 h47.6 r90; Route Tool Path "2" at 2595,8275 h47.6 r90; Route Tool Path "4" at 2395,8275 h47.6 r90; Route Tool Path "28" at 3820,8575 h47.6 r180; Route Tool Path "26" at 3820,8475 h47.6 r180; Route Tool Path "24" at 3820,8375 h47.6 r180; Route Tool Path "22" at 3820,8275 h47.6 r180; Route Tool Path "2" at 2500,9965 h47.6 r90; Route Tool Path "3" at 2600,9965 h47.6 r90; Route Tool Path "0" at 2300,9965 h47.6 r90; Route Tool Path "1" at 2390,9965 h47.6 r90; Route Tool Path "19" at 3495,8310 h47.6 r90; Route Tool Path "20" at 3595,8310 h47.6 r90; Route Tool Path "17" at 3295,8310 h47.6 r90; Route Tool Path "21" at 3695,8310 h47.6 r90; Route Tool Path "18" at 3395,8310 h47.6 r90; Route Tool Path "16" at 3195,8310 h47.6 r90; Route Tool Path "15" at 3095,8310 h47.6 r90; Route Tool Path "14" at 2995,8310 h47.6 r90; Route Tool Path "8" at 1945,8275 h47.6 r90; Route Tool Path "13" at 1445,8325 h47.6 r90; Route Tool Path "12" at 1545,8325 h47.6 r90; Route Tool Path "11" at 1645,8325 h47.6 r90; Route Tool Path "9" at 1845,8275 h47.6 r90; Route Tool Path "10" at 1745,8325 h47.6 r90; Route Tool Path "9" at 3300,9965 h47.6 r90; Route Tool Path "10" at 3400,9965 h47.6 r90; Route Tool Path "11" at 3500,9965 h47.6 r90; Route Tool Path "8" at 3200,9965 h47.6 r90; Route Tool Path "13" at 3700,9965 h47.6 r90; Route Tool Path "12" at 3600,9965 h47.6 r90; Route Tool Path "14" at 3800,9965 h47.6 r90; Route Tool Path "15" at 3895,9965 h47.6 r90; Route Tool Path "5" at 2795,9965 h47.6 r90; Route Tool Path "6" at 2895,9965 h47.6 r90; Route Tool Path "7" at 3000,9965 h47.6 r90; Route Tool Path "4" at 2700,9965 h47.6 r90
U8: Route Tool Path "0.197in/5.004mm" at 17330.29,4145 h25 r90; Route Tool Path "0.795in/20.193mm" at 17149.29,4700 h25 r90; Route Tool Path "0.2in/5.08mm" at 17512.5,5267.5 h25 r90; Route Tool Path "0.181in/4.59mm" at 17322.14,5267.5 h25 r90; Route Tool Path "0.05in/1.27mm" at 17730,4393.75 h25 r90; Route Tool Path "0.7in/17.78mm" at 17830,4718.75 h25 r90; Route Tool Path "Alt 2 Padstyle: OX90Y60D30P" at 18115,4462.5 h50 r90; Route Tool Path "Alt 1 Padstyle: OX60Y90D30P" at 18055,4462.5 h50 r90; Route Tool Path "Pin 1 Padstyle: SX70Y70D50P" at 17995,4462.5 h50 r90; Route Tool Path "Default Padstyle: OX70Y70D50P" at 17935,4437.5 h50 r90; Top 3D Models "TAB" at 17256.79,4781.25 h25 r90
U9: Route Tool Path "0.197in/5.004mm" at 13380.29,1370 h25 r90; Route Tool Path "0.795in/20.193mm" at 13199.29,1925 h25 r90; Route Tool Path "0.2in/5.08mm" at 13562.5,2492.5 h25 r90; Route Tool Path "0.181in/4.59mm" at 13372.14,2492.5 h25 r90; Route Tool Path "0.05in/1.27mm" at 13780,1618.75 h25 r90; Route Tool Path "0.7in/17.78mm" at 13880,1943.75 h25 r90; Route Tool Path "Alt 2 Padstyle: OX90Y60D30P" at 14165,1687.5 h50 r90; Route Tool Path "Alt 1 Padstyle: OX60Y90D30P" at 14105,1687.5 h50 r90; Route Tool Path "Pin 1 Padstyle: SX70Y70D50P" at 14045,1687.5 h50 r90; Route Tool Path "Default Padstyle: OX70Y70D50P" at 13985,1662.5 h50 r90; Top 3D Models "TAB" at 13306.79,2006.25 h25 r90